# Altium PCB POT 10x8.PcbDoc (part 2 of 4) (continued)
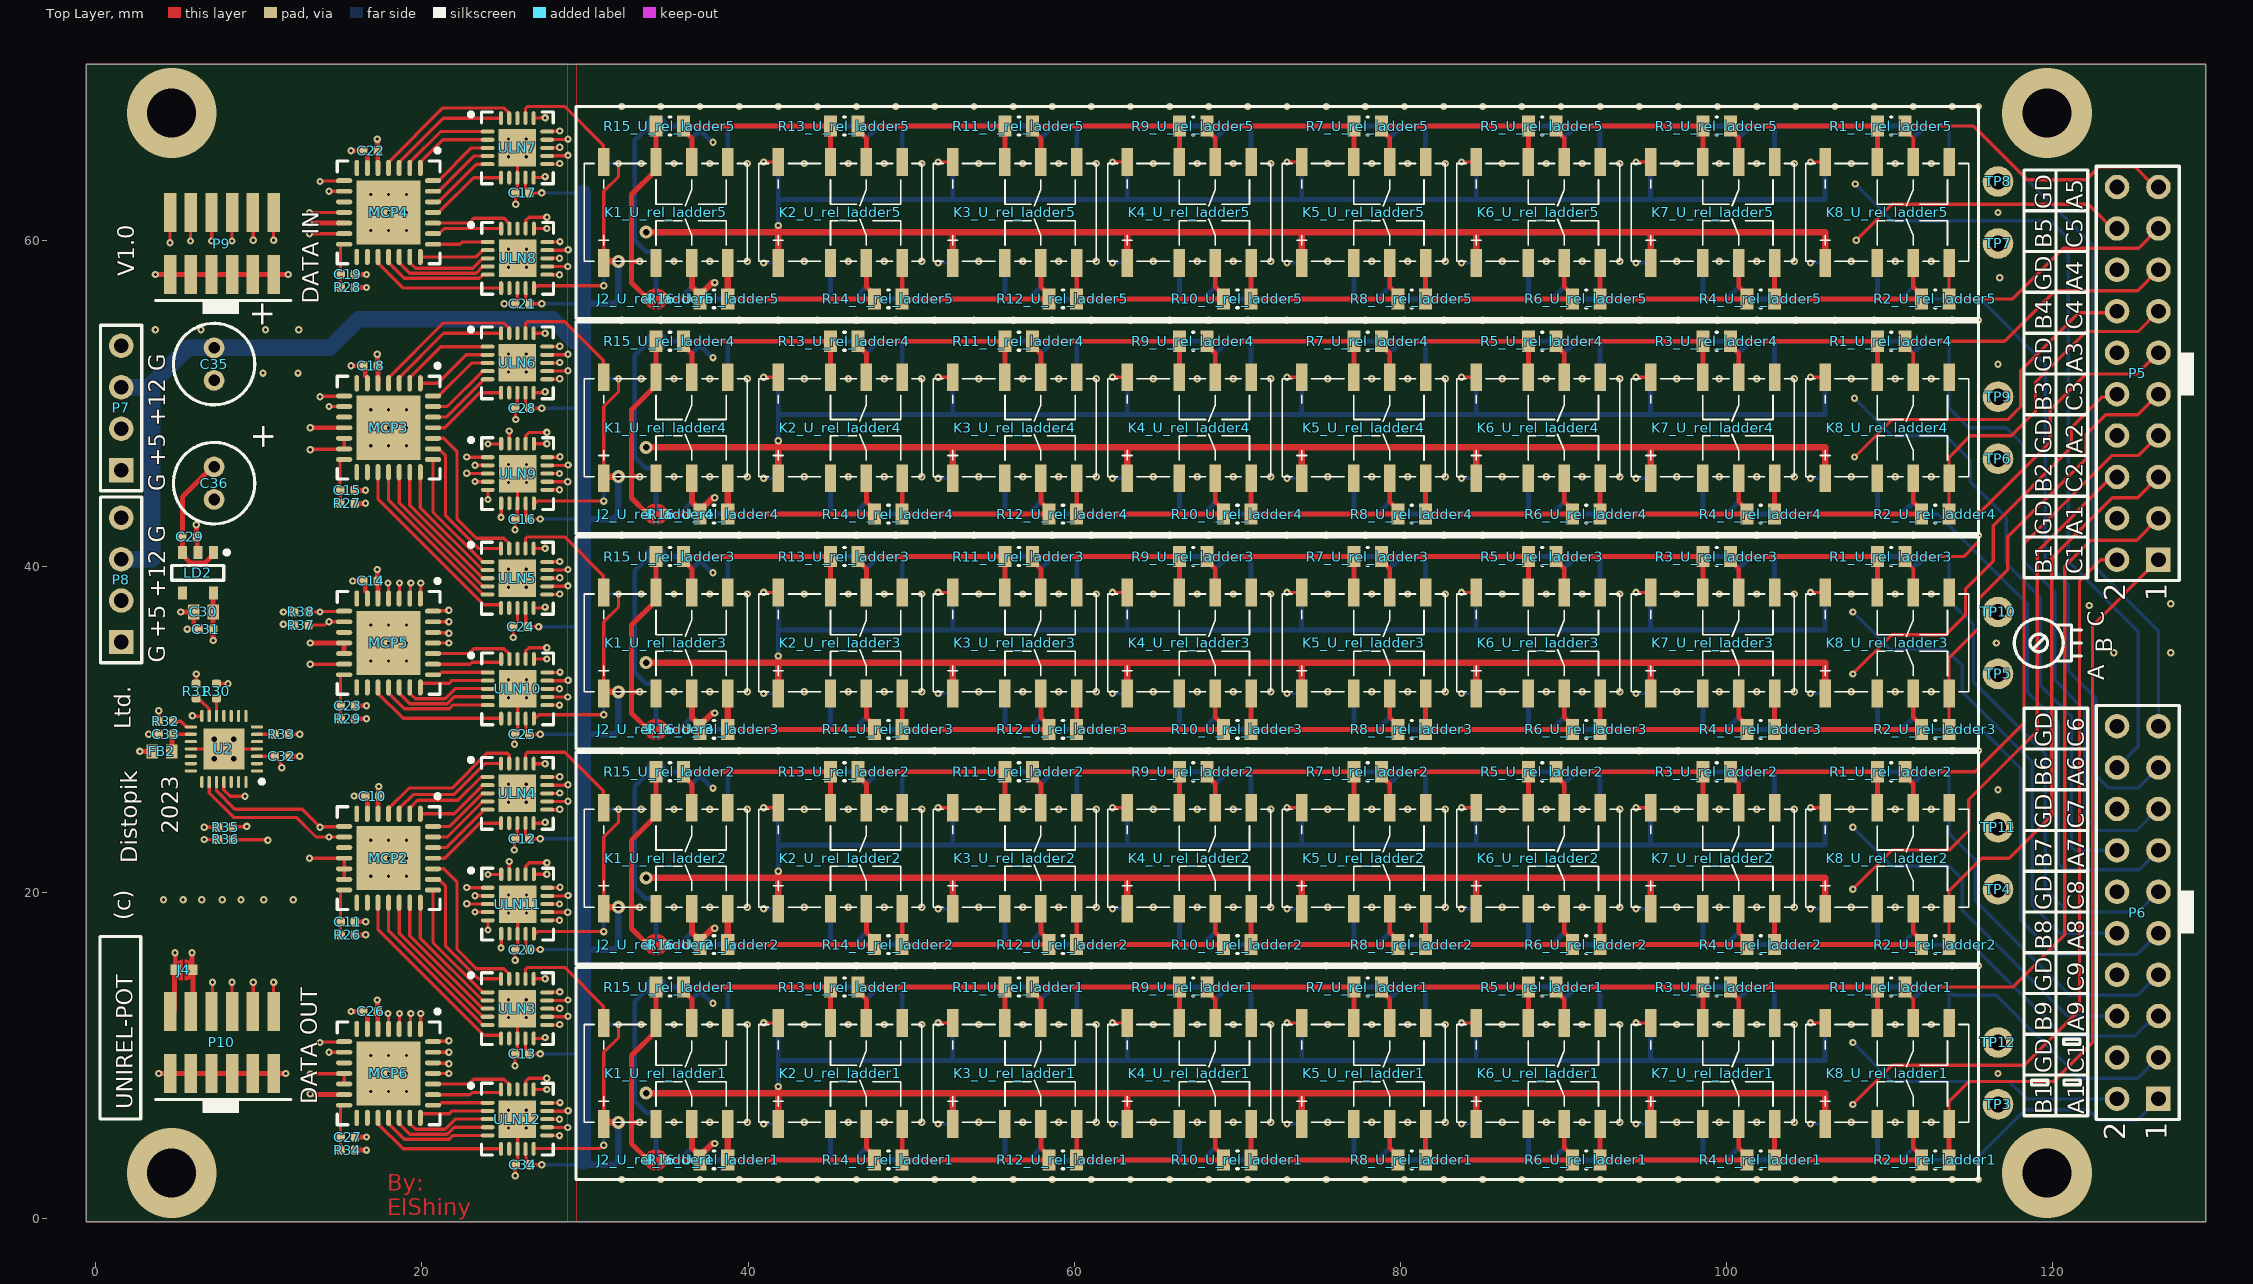
[diagram p0: Top Layer view]
## Nets (pads, with @x,y where several pads share a name; then routed paths per layer and width w, separated by ;. In a path a pad name is that pad's centre, name@x,y a point inside that pad or via, vN(x,y) a via of type N, cw(c..) or ccw(c..) an arc to the next point about the centre after c; other vN are vias at no path point) (continued)
AGND: P5.4 P5.8 P5.12 P5.16 P5.20 P6.4 P6.8 P6.12 P6.16 P6.20
  other v1: 32.25,2.4 34.65,2.4 37.05,2.4 39.45,2.4 41.85,2.4 44.25,2.4 46.65,2.4 49.05,2.4 51.45,2.4 53.85,2.4 56.25,2.4 58.65,2.4 61.05,2.4 63.45,2.4 65.85,2.4 68.25,2.4 70.65,2.4 73.05,2.4 75.45,2.4 77.85,2.4 80.25,2.4 82.65,2.4 85.05,2.4 87.45,2.4 89.85,2.4 92.25,2.4 94.65,2.4 97.05,2.4 99.45,2.4 101.85,2.4 104.25,2.4 106.65,2.4 109.05,2.4 111.45,2.4 113.85,2.4 115.45,2.4 35.45,5.9 37.65,5.9 39.95,5.9 43.45,5.9 46.15,5.9 48.35,5.9 50.65,5.9 54.15,5.9 56.85,5.9 59.05,5.9 61.35,5.9 64.85,5.9 67.55,5.9 69.75,5.9 72.05,5.9 75.55,5.9 78.25,5.9 80.45,5.9 82.75,5.9 86.25,5.9 88.95,5.9 91.15,5.9 93.45,5.9 96.95,5.9 99.55,5.9 101.85,5.9 104.15,5.9 107.65,5.9 110.35,5.9 112.55,5.9 116.65,8.9 35.45,11.9 37.65,11.9 39.95,11.9 43.45,11.9 46.15,11.9 48.35,11.9 50.65,11.9 54.15,11.9 56.85,11.9 59.05,11.9 61.35,11.9 64.85,11.9 67.55,11.9 69.75,11.9 72.05,11.9 75.55,11.9 78.25,11.9 80.45,11.9 82.75,11.9 86.25,11.9 88.95,11.9 91.15,11.9 93.45,11.9 96.95,11.9 99.55,11.9 101.85,11.9 104.15,11.9 107.65,11.9 110.35,11.9 112.55,11.9 32.25,15.5 34.65,15.5 37.05,15.5 39.45,15.5 41.85,15.5 44.25,15.5 46.65,15.5 49.05,15.5 51.45,15.5 53.85,15.5 56.25,15.5 58.65,15.5 61.05,15.5 63.45,15.5 65.85,15.5 68.25,15.5 70.65,15.5 73.05,15.5 75.45,15.5 77.85,15.5 80.25,15.5 82.65,15.5 85.05,15.5 87.45,15.5 89.85,15.5 92.25,15.5 94.65,15.5 97.05,15.5 99.45,15.5 101.85,15.5 104.25,15.5 106.65,15.5 109.05,15.5 111.45,15.5 113.85,15.5 115.45,15.5 35.45,19.1 37.65,19.1 39.95,19.1 43.45,19.1 46.15,19.1 48.35,19.1 50.65,19.1 54.15,19.1 56.85,19.1 59.05,19.1 61.35,19.1 64.85,19.1 67.55,19.1 69.75,19.1 72.05,19.1 75.55,19.1 78.25,19.1 80.45,19.1 82.75,19.1 86.25,19.1 88.95,19.1 91.15,19.1 93.45,19.1 96.95,19.1 99.55,19.1 101.85,19.1 104.15,19.1 107.65,19.1 110.35,19.1 112.55,19.1 35.45,25.1 37.65,25.1 39.95,25.1 43.45,25.1 46.15,25.1 48.35,25.1 50.65,25.1 54.15,25.1 56.85,25.1 59.05,25.1 61.35,25.1 64.85,25.1 67.55,25.1 69.75,25.1 72.05,25.1 75.55,25.1 78.25,25.1 80.45,25.1 82.75,25.1 86.25,25.1 88.95,25.1 91.15,25.1 93.45,25.1 96.95,25.1 99.55,25.1 101.85,25.1 104.15,25.1 107.65,25.1 110.35,25.1 112.55,25.1 116.65,26.3 32.25,28.7 34.65,28.7 37.05,28.7 39.45,28.7 41.85,28.7 44.25,28.7 46.65,28.7 49.05,28.7 51.45,28.7 53.85,28.7 56.25,28.7 58.65,28.7 61.05,28.7 63.45,28.7 65.85,28.7 68.25,28.7 70.65,28.7 73.05,28.7 75.45,28.7 77.85,28.7 80.25,28.7 82.65,28.7 85.05,28.7 87.45,28.7 89.85,28.7 92.25,28.7 94.65,28.7 97.05,28.7 99.45,28.7 101.85,28.7 104.25,28.7 106.65,28.7 109.05,28.7 111.45,28.7 113.85,28.7 115.45,28.7 35.45,32.3 37.65,32.3 39.95,32.3 43.45,32.3 46.15,32.3 48.35,32.3 50.65,32.3 54.15,32.3 56.85,32.3 59.05,32.3 61.35,32.3 64.85,32.3 67.55,32.3 69.75,32.3 72.05,32.3 75.55,32.3 78.25,32.3 80.45,32.3 82.75,32.3 86.25,32.3 88.95,32.3 91.15,32.3 93.45,32.3 96.95,32.3 99.55,32.3 101.85,32.3 104.15,32.3 107.65,32.3 110.35,32.3 112.55,32.3 123.75,34.7 127.25,34.7 116.55,35.3 122.25,37.6 127.25,37.7 35.45,38.3 37.65,38.3 39.95,38.3 43.45,38.3 46.15,38.3 48.35,38.3 50.65,38.3 54.15,38.3 56.85,38.3 59.05,38.3 61.35,38.3 64.85,38.3 67.55,38.3 69.75,38.3 72.05,38.3 75.55,38.3 78.25,38.3 80.45,38.3 82.75,38.3 86.25,38.3 88.95,38.3 91.15,38.3 93.45,38.3 96.95,38.3 99.55,38.3 101.85,38.3 104.15,38.3 107.65,38.3 110.35,38.3 112.55,38.3 32.25,41.9 34.65,41.9 37.05,41.9 39.45,41.9 41.85,41.9 44.25,41.9 46.65,41.9 49.05,41.9 51.45,41.9 53.85,41.9 56.25,41.9 58.65,41.9 61.05,41.9 63.45,41.9 65.85,41.9 68.25,41.9 70.65,41.9 73.05,41.9 75.45,41.9 77.85,41.9 80.25,41.9 82.65,41.9 85.05,41.9 87.45,41.9 89.85,41.9 92.25,41.9 94.65,41.9 97.05,41.9 99.45,41.9 101.85,41.9 104.25,41.9 106.65,41.9 109.05,41.9 111.45,41.9 35.45,45.5 37.65,45.5 39.95,45.5 43.45,45.5 46.15,45.5 48.35,45.5 50.65,45.5 54.15,45.5 56.85,45.5 59.05,45.5 61.35,45.5 64.85,45.5 67.55,45.5 69.75,45.5 72.05,45.5 75.55,45.5 78.25,45.5 80.45,45.5 82.75,45.5 86.25,45.5 88.95,45.5 91.15,45.5 93.45,45.5 96.95,45.5 99.55,45.5 101.85,45.5 104.15,45.5 107.65,45.5 110.35,45.5 112.55,45.5 35.45,51.5 37.65,51.5 39.95,51.5 43.45,51.5 46.15,51.5 48.35,51.5 50.65,51.5 54.15,51.5 56.85,51.5 59.05,51.5 61.35,51.5 64.85,51.5 67.55,51.5 69.75,51.5 72.05,51.5 75.55,51.5 78.25,51.5 80.45,51.5 82.75,51.5 86.25,51.5 88.95,51.5 91.15,51.5 93.45,51.5 96.95,51.5 99.55,51.5 101.85,51.5 104.15,51.5 107.65,51.5 110.35,51.5 112.55,51.5 116.65,52.4 32.25,55.1 34.65,55.1 37.05,55.1 39.45,55.1 41.85,55.1 44.25,55.1 46.65,55.1 49.05,55.1 51.45,55.1 53.85,55.1 56.25,55.1 58.65,55.1 61.05,55.1 63.45,55.1 65.85,55.1 68.25,55.1 70.65,55.1 73.05,55.1 75.45,55.1 77.85,55.1 80.25,55.1 82.65,55.1 85.05,55.1 87.45,55.1 89.85,55.1 92.25,55.1 94.65,55.1 97.05,55.1 99.45,55.1 101.85,55.1 104.25,55.1 106.65,55.1 109.05,55.1 111.45,55.1 113.85,55.1 115.45,55.1 116.75,57.7 35.45,58.7 37.65,58.7 39.95,58.7 43.45,58.7 46.15,58.7 48.35,58.7 50.65,58.7 54.15,58.7 56.85,58.7 59.05,58.7 61.35,58.7 64.85,58.7 67.55,58.7 69.75,58.7 72.05,58.7 75.55,58.7 78.25,58.7 80.45,58.7 82.75,58.7 86.25,58.7 88.95,58.7 91.15,58.7 93.45,58.7 96.95,58.7 99.55,58.7 101.85,58.7 104.15,58.7 107.65,58.7 110.35,58.7 112.55,58.7 116.65,61.7 35.45,64.7 37.65,64.7 39.95,64.7 43.45,64.7 46.15,64.7 48.35,64.7 50.65,64.7 54.15,64.7 56.85,64.7 59.05,64.7 61.35,64.7 64.85,64.7 67.55,64.7 69.75,64.7 72.05,64.7 75.55,64.7 78.25,64.7 80.45,64.7 82.75,64.7 86.25,64.7 88.95,64.7 91.15,64.7 93.45,64.7 96.95,64.7 99.55,64.7 101.85,64.7 104.15,64.7 107.65,64.7 110.35,64.7 112.55,64.7 32.25,68.2 34.65,68.2 37.05,68.2 39.45,68.2 41.85,68.2 44.25,68.2 46.65,68.2 49.05,68.2 51.45,68.2 53.85,68.2 56.25,68.2 58.65,68.2 61.05,68.2 63.45,68.2 65.85,68.2 68.25,68.2 70.65,68.2 73.05,68.2 75.45,68.2 77.85,68.2 80.25,68.2 82.65,68.2 85.05,68.2 87.45,68.2 89.85,68.2 92.25,68.2 94.65,68.2 97.05,68.2 99.45,68.2 101.85,68.2 104.25,68.2 106.65,68.2 109.05,68.2 111.45,68.2 113.85,68.2 115.45,68.2
AVCC: C33.1 FB2.2 U2.16 | length 2.3
  Top Layer w0.2: C33.1@4.6,29.7 U2.16@5.825,29.7
  Top Layer w0.3: FB2.2@4.6,28.65 4.675,28.725 4.675,29.635 C33.1@4.74,29.7
B1: J2_U_rel_ladder1.1 J2_U_rel_ladder1.2 K1_U_rel_ladder1.3 K1_U_rel_ladder1.7 P5.2 R15_U_rel_ladder1.2 R16_U_rel_ladder1.2 TP3.1 | length 219.7
  Top Layer w0.2: v1(107.75,7) 110.15,9.4 118.25,9.4 121.65,12.8 121.65,39.1 122.95,40.4 P5.2@123.95,40.4
  Top Layer w0.3: v1(33.35,5.9) 32.85,5.9 ; J2_U_rel_ladder1.1@33.842,3.6 32.85,4.592 32.85,5.9 ; R15_U_rel_ladder1.2@34.35,14.2 34.35,11.5 32.85,10 32.85,5.9
  Top Layer w0.381: J2_U_rel_ladder1.1@33.842,3.6 J2_U_rel_ladder1.2@34.858,3.6 R16_U_rel_ladder1.2@37.05,3.6 R16_U_rel_ladder1.2@37.05,3.85 ; K1_U_rel_ladder1.3@36.55,5.8 36.55,4.35 R16_U_rel_ladder1.2@37.05,3.85 ; v1(37.95,4.6) 37.937,4.587 37.787,4.587 R16_U_rel_ladder1.2@37.05,3.85
  Mid Layer 1 w0.2: v1(33.35,5.9) 33.95,5.3 106.05,5.3 v1(107.75,7) ; v1(37.95,4.6) 38.25,4.3 113.95,4.3 TP3.1@116.65,7
B2: J2_U_rel_ladder2.1 J2_U_rel_ladder2.2 K1_U_rel_ladder2.3 K1_U_rel_ladder2.7 P5.6 R15_U_rel_ladder2.2 R16_U_rel_ladder2.2 TP4.1 | length 208.5
  Top Layer w0.2: v1(107.75,20.2) 110.15,22.6 113.65,22.6 114.85,23.8 114.85,25.7 119.05,29.9 119.05,40.9 123.63,45.48 P5.6@123.95,45.48
  Top Layer w0.3: v1(33.35,19.1) 32.85,19.1 ; J2_U_rel_ladder2.1@33.842,16.8 32.85,17.792 32.85,19.1 ; R15_U_rel_ladder2.2@34.35,27.4 34.35,24.7 32.85,23.2 32.85,19.1
  Top Layer w0.381: J2_U_rel_ladder2.1@33.842,16.8 J2_U_rel_ladder2.2@34.858,16.8 R16_U_rel_ladder2.2@37.05,16.8 R16_U_rel_ladder2.2@37.05,17.05 ; K1_U_rel_ladder2.3@36.55,19 36.55,17.55 R16_U_rel_ladder2.2@37.05,17.05 ; v1(37.95,17.8) 37.937,17.787 37.787,17.787 R16_U_rel_ladder2.2@37.05,17.05
  Mid Layer 1 w0.2: v1(33.35,19.1) 33.95,18.5 106.05,18.5 v1(107.75,20.2) ; v1(37.95,17.8) 38.25,17.5 113.95,17.5 TP4.1@116.65,20.2
B3: J2_U_rel_ladder3.1 J2_U_rel_ladder3.2 K1_U_rel_ladder3.3 K1_U_rel_ladder3.7 P5.10 R15_U_rel_ladder3.2 R16_U_rel_ladder3.2 TP5.1 | length 200.5
  Top Layer w0.2: v1(107.75,33.4) 110.15,35.8 113.45,35.8 114.65,37 114.65,38.6 116.35,40.3 116.35,42.5 121.15,47.3 121.15,48.5 123.038,50.388 123.778,50.388 P5.10@123.95,50.56
  Top Layer w0.3: v1(33.35,32.3) 32.85,32.3 ; J2_U_rel_ladder3.1@33.842,30 32.85,30.992 32.85,32.3 ; R15_U_rel_ladder3.2@34.35,40.6 34.35,37.9 32.85,36.4 32.85,32.3
  Top Layer w0.381: J2_U_rel_ladder3.1@33.842,30 J2_U_rel_ladder3.2@34.858,30 R16_U_rel_ladder3.2@37.05,30 R16_U_rel_ladder3.2@37.05,30.25 ; K1_U_rel_ladder3.3@36.55,32.2 36.55,30.75 R16_U_rel_ladder3.2@37.05,30.25 ; v1(37.95,31) 37.937,30.987 37.787,30.987 R16_U_rel_ladder3.2@37.05,30.25
  Mid Layer 1 w0.2: v1(33.35,32.3) 33.95,31.7 106.05,31.7 v1(107.75,33.4) ; v1(37.95,31) 38.25,30.7 113.95,30.7 TP5.1@116.65,33.4
B4: J2_U_rel_ladder4.1 J2_U_rel_ladder4.2 K1_U_rel_ladder4.3 K1_U_rel_ladder4.7 P5.14 R15_U_rel_ladder4.2 R16_U_rel_ladder4.2 TP6.1 | length 195.5
  Top Layer w0.2: v1(107.85,46.7) 110.15,49 117.25,49 118.05,49.8 118.05,52 121.6,55.55 123.86,55.55 P5.14@123.95,55.64
  Top Layer w0.3: v1(33.35,45.5) 32.85,45.5 ; J2_U_rel_ladder4.1@33.842,43.2 32.85,44.192 32.85,45.5 ; R15_U_rel_ladder4.2@34.35,53.8 34.35,51.1 32.85,49.6 32.85,45.5
  Top Layer w0.381: J2_U_rel_ladder4.1@33.842,43.2 J2_U_rel_ladder4.2@34.858,43.2 R16_U_rel_ladder4.2@37.05,43.2 R16_U_rel_ladder4.2@37.05,43.45 ; K1_U_rel_ladder4.3@36.55,45.4 36.55,43.95 R16_U_rel_ladder4.2@37.05,43.45 ; v1(37.95,44.2) 37.937,44.187 37.787,44.187 R16_U_rel_ladder4.2@37.05,43.45
  Mid Layer 1 w0.2: v1(33.35,45.5) 33.95,44.9 106.05,44.9 v1(107.85,46.7) ; v1(37.95,44.2) 38.25,43.9 113.95,43.9 TP6.1@116.65,46.6
B5: J2_U_rel_ladder5.1 J2_U_rel_ladder5.2 K1_U_rel_ladder5.3 K1_U_rel_ladder5.7 P5.18 R15_U_rel_ladder5.2 R16_U_rel_ladder5.2 TP7.1 | length 192.1
  Top Layer w0.2: v1(107.95,60) 110.15,62.2 122.183,62.2 123.663,60.72 P5.18@123.95,60.72
  Top Layer w0.3: v1(33.35,58.7) 32.85,58.7 ; J2_U_rel_ladder5.1@33.842,56.4 32.85,57.392 32.85,58.7 ; R15_U_rel_ladder5.2@34.35,67 34.35,64.3 32.85,62.8 32.85,58.7
  Top Layer w0.381: J2_U_rel_ladder5.1@33.842,56.4 J2_U_rel_ladder5.2@34.858,56.4 R16_U_rel_ladder5.2@37.05,56.4 R16_U_rel_ladder5.2@37.05,56.65 ; K1_U_rel_ladder5.3@36.55,58.6 36.55,57.15 R16_U_rel_ladder5.2@37.05,56.65 ; v1(37.95,57.4) 37.937,57.387 37.787,57.387 R16_U_rel_ladder5.2@37.05,56.65
  Mid Layer 1 w0.2: v1(33.35,58.7) 33.95,58.1 106.05,58.1 v1(107.95,60) ; v1(37.95,57.4) 38.25,57.1 113.95,57.1 TP7.1@116.65,59.8
B6: J2_U_rel_ladder6.1 J2_U_rel_ladder6.2 K1_U_rel_ladder6.3 K1_U_rel_ladder6.7 P6.18 R15_U_rel_ladder6.2 R16_U_rel_ladder6.2 TP8.1 | length 223.3
  Mid Layer 2 w0.2: v1(33.45,64.7) 34.05,65.3 106.05,65.3 v1(107.9,63.45) ; v1(37.85,66) 114.25,66 TP8.1@116.65,63.6
  Bottom Layer w0.2: v1(107.9,63.45) 110.15,61.2 119.85,61.2 120.95,60.1 120.95,40.3 125.25,36 125.25,28.96 P6.18@123.95,27.66
  Bottom Layer w0.3: v1(33.45,64.7) 33.05,64.7 ; R15_U_rel_ladder6.2@34.35,56.4 34.35,59.068 34.15,59.268 33.782,59.268 33.05,60 33.05,64.7 ; K1_U_rel_ladder6.3@36.55,64.8 36.55,66.25 R16_U_rel_ladder6.2@37.05,66.75 ; v1(37.85,66) 37.821,66.029 37.771,66.029 R16_U_rel_ladder6.2@37.05,66.75 ; 33.05,64.7 33.05,66.127 33.715,66.792 33.715,66.873 J2_U_rel_ladder6.2@33.842,67 J2_U_rel_ladder6.1@34.858,67 R16_U_rel_ladder6.2@37.05,67 R16_U_rel_ladder6.2@37.05,66.75
B7: J2_U_rel_ladder7.1 J2_U_rel_ladder7.2 K1_U_rel_ladder7.3 K1_U_rel_ladder7.7 P6.14 R15_U_rel_ladder7.2 R16_U_rel_ladder7.2 TP9.1 | length 211.9
  Mid Layer 2 w0.2: v1(33.45,51.5) 34.05,52.1 106.05,52.1 v1(107.85,50.3) ; v1(37.85,52.8) 114.25,52.8 TP9.1@116.65,50.4
  Bottom Layer w0.2: v1(107.85,50.3) 110.15,48 113.45,48 114.95,46.5 114.95,45.2 117.15,43 117.15,40.2 119.25,38.1 119.25,32.7 121.15,30.8 121.15,22.8 121.37,22.58 P6.14@123.95,22.58
  Bottom Layer w0.3: v1(33.45,51.5) 33.05,51.5 ; R15_U_rel_ladder7.2@34.35,43.2 K1_U_rel_ladder7.7@34.35,45.4 34.35,45.818 34.15,46.018 33.732,46.018 33.05,46.7 33.05,51.5 ; K1_U_rel_ladder7.3@36.55,51.6 36.55,53.05 R16_U_rel_ladder7.2@37.05,53.55 ; v1(37.85,52.8) 37.821,52.829 37.771,52.829 R16_U_rel_ladder7.2@37.05,53.55 ; 33.05,51.5 33.05,52.927 33.715,53.592 33.715,53.673 J2_U_rel_ladder7.2@33.842,53.8 J2_U_rel_ladder7.1@34.858,53.8 R16_U_rel_ladder7.2@37.05,53.8 R16_U_rel_ladder7.2@37.05,53.55
B8: J2_U_rel_ladder8.1 J2_U_rel_ladder8.2 K1_U_rel_ladder8.3 K1_U_rel_ladder8.7 P6.10 R15_U_rel_ladder8.2 R16_U_rel_ladder8.2 TP10.1 | length 204.3
  Mid Layer 2 w0.2: v1(33.45,38.3) 34.05,38.9 106.05,38.9 v1(107.75,37.2) ; v1(37.85,39.6) 114.25,39.6 TP10.1@116.65,37.2
  Bottom Layer w0.2: v1(107.75,37.2) 108.324,36.626 110.05,34.9 113.45,34.9 114.45,33.9 114.45,32.3 118.75,28 118.75,19.2 120.45,17.5 P6.10@123.95,17.5
  Bottom Layer w0.3: v1(33.45,38.3) 33.05,38.3 ; R15_U_rel_ladder8.2@34.35,30 K1_U_rel_ladder8.7@34.35,32.2 34.35,32.618 34.15,32.818 33.732,32.818 33.05,33.5 33.05,38.3 ; K1_U_rel_ladder8.3@36.55,38.4 36.55,39.85 R16_U_rel_ladder8.2@37.05,40.35 ; v1(37.85,39.6) 37.821,39.629 37.771,39.629 R16_U_rel_ladder8.2@37.05,40.35 ; 33.05,38.3 33.05,39.727 33.715,40.392 33.715,40.473 J2_U_rel_ladder8.2@33.842,40.6 J2_U_rel_ladder8.1@34.858,40.6 R16_U_rel_ladder8.2@37.05,40.6 R16_U_rel_ladder8.2@37.05,40.35
B9: J2_U_rel_ladder9.1 J2_U_rel_ladder9.2 K1_U_rel_ladder9.3 K1_U_rel_ladder9.7 P6.6 R15_U_rel_ladder9.2 R16_U_rel_ladder9.2 TP11.1 | length 196
  Mid Layer 2 w0.2: v1(33.45,25.1) 34.05,25.7 106.05,25.7 v1(107.75,24) ; v1(37.85,26.4) 114.25,26.4 TP11.1@116.65,24
  Bottom Layer w0.2: v1(107.75,24) 110.15,21.6 113.65,21.6 114.45,20.8 114.45,18.9 120.93,12.42 P6.6@123.95,12.42
  Bottom Layer w0.3: v1(33.45,25.1) 33.05,25.1 ; R15_U_rel_ladder9.2@34.35,16.8 K1_U_rel_ladder9.7@34.35,19 34.35,19.418 34.15,19.618 33.732,19.618 33.05,20.3 33.05,25.1 ; K1_U_rel_ladder9.3@36.55,25.2 36.55,26.65 R16_U_rel_ladder9.2@37.05,27.15 ; v1(37.85,26.4) 37.821,26.429 37.771,26.429 R16_U_rel_ladder9.2@37.05,27.15 ; 33.05,25.1 33.05,26.527 33.715,27.192 33.715,27.273 J2_U_rel_ladder9.2@33.842,27.4 J2_U_rel_ladder9.1@34.858,27.4 R16_U_rel_ladder9.2@37.05,27.4 R16_U_rel_ladder9.2@37.05,27.15
B10: J2_U_rel_ladder10.1 J2_U_rel_ladder10.2 K1_U_rel_ladder10.3 K1_U_rel_ladder10.7 P6.2 R15_U_rel_ladder10.2 R16_U_rel_ladder10.2 TP12.1 | length 191.6
  Mid Layer 2 w0.2: v1(33.45,11.9) 34.05,12.5 106.05,12.5 v1(107.75,10.8) ; v1(37.85,13.2) 114.25,13.2 TP12.1@116.65,10.8
  Bottom Layer w0.2: v1(107.75,10.8) 110.15,8.4 117.35,8.4 118.41,7.34 P6.2@123.95,7.34
  Bottom Layer w0.3: v1(33.45,11.9) 33.05,11.9 ; R15_U_rel_ladder10.2@34.35,3.6 K1_U_rel_ladder10.7@34.35,5.9 ; K1_U_rel_ladder10.7@34.35,5.8 34.35,6.268 34.15,6.468 33.782,6.468 33.05,7.2 33.05,11.9 ; K1_U_rel_ladder10.3@36.55,12 36.55,13.45 R16_U_rel_ladder10.2@37.05,13.95 ; v1(37.85,13.2) 37.821,13.229 37.771,13.229 R16_U_rel_ladder10.2@37.05,13.95 ; 33.05,11.9 33.05,13.327 33.715,13.992 33.715,14.073 J2_U_rel_ladder10.2@33.842,14.2 J2_U_rel_ladder10.1@34.858,14.2 R16_U_rel_ladder10.2@37.05,14.2 R16_U_rel_ladder10.2@37.05,13.95
C1: K8_U_rel_ladder1.4 P5.1 R2_U_rel_ladder1.1 | length 47.4
  Top Layer w0.2: R2_U_rel_ladder1.1@113.65,3.6 113.65,7.2 114.85,8.4 120.05,8.4 122.45,10.8 122.45,36.36 P5.1@126.49,40.4
  Top Layer w0.3: R2_U_rel_ladder1.1@113.65,3.6 K8_U_rel_ladder1.4@113.65,5.8
C2: K8_U_rel_ladder2.4 P5.5 R2_U_rel_ladder2.1 | length 35.9
  Top Layer w0.2: R2_U_rel_ladder2.1@113.65,16.8 K8_U_rel_ladder2.4@113.65,19 113.65,20.1 114.25,20.7 115.65,22.1 117.35,22.1 119.95,24.7 119.95,40.5 123.65,44.2 125.21,44.2 P5.5@126.49,45.48
C3: K8_U_rel_ladder3.4 P5.9 R2_U_rel_ladder3.1 | length 27
  Top Layer w0.2: R2_U_rel_ladder3.1@113.65,30 K8_U_rel_ladder3.4@113.65,32.2 113.65,34.4 115.459,36.209 115.459,38.009 117.25,39.8 117.25,41.8 122.05,46.6 122.05,48.1 123.25,49.3 125.23,49.3 P5.9@126.49,50.56
C4: K8_U_rel_ladder4.4 P5.13 R2_U_rel_ladder4.1 | length 21.1
  Top Layer w0.2: R2_U_rel_ladder4.1@113.65,43.2 K8_U_rel_ladder4.4@113.65,45.4 113.65,45.9 113.65,46.7 114.95,48 117.45,48 118.95,49.5 118.95,51.3 122.05,54.4 125.25,54.4 P5.13@126.49,55.64
C5: K8_U_rel_ladder5.4 P5.17 R2_U_rel_ladder5.1 | length 16.8
  Top Layer w0.2: K8_U_rel_ladder5.4@113.65,58.6 R2_U_rel_ladder5.1@113.65,56.4 116.05,56.4 117.55,56.4 120.65,59.5 125.27,59.5 P5.17@126.49,60.72
C6: K8_U_rel_ladder6.4 P6.19 R2_U_rel_ladder6.1 | length 45.2
  Bottom Layer w0.2: K8_U_rel_ladder6.4@113.65,64.8 113.65,66.75 R2_U_rel_ladder6.1@113.65,67 115.15,67 122.45,59.7 122.45,40.1 126.49,36.06 P6.19@126.49,30.2
C7: K8_U_rel_ladder7.4 P6.15 R2_U_rel_ladder7.1 | length 39.4
  Bottom Layer w0.2: R2_U_rel_ladder7.1@113.65,53.8 K8_U_rel_ladder7.4@113.65,51.6 113.65,49.7 114.85,48.5 117.15,48.5 118.15,47.5 118.15,40.4 120.15,38.4 120.15,33 121.95,31.2 121.95,24.6 122.75,23.8 125.17,23.8 P6.15@126.49,25.12
C8: K8_U_rel_ladder8.4 P6.11 R2_U_rel_ladder8.1 | length 30.9
  Bottom Layer w0.2: R2_U_rel_ladder8.1@113.65,40.6 K8_U_rel_ladder8.4@113.65,38.4 113.65,37.9 115.15,36.4 115.15,32.9 119.55,28.5 119.55,20.2 120.95,18.8 125.25,18.8 P6.11@126.49,20.04
C9: K8_U_rel_ladder9.4 P6.7 R2_U_rel_ladder9.1 | length 22.7
  Bottom Layer w0.2: R2_U_rel_ladder9.1@113.65,27.4 K8_U_rel_ladder9.4@113.65,25.2 113.65,23.6 115.25,22 115.25,19.5 121.05,13.7 125.23,13.7 P6.7@126.49,14.96
C10: K8_U_rel_ladder10.4 P6.3 R2_U_rel_ladder10.1 | length 17.8
  Bottom Layer w0.2: K8_U_rel_ladder10.4@113.65,12 R2_U_rel_ladder10.1@113.65,13.95 ; R2_U_rel_ladder10.1@113.65,14.2 R2_U_rel_ladder10.1@113.65,13.95 ; P6.3@126.49,9.88 125.21,8.6 121.65,8.6 116.55,13.7 113.9,13.7 R2_U_rel_ladder10.1@113.65,13.95
GND: C10.1 C11.1 C12.2 C13.2 C14.1 C15.1 C16.2 C17.2 C18.1 C19.1 C20.2 C21.2 C22.1 C23.1 C24.2 C25.2 C26.1 C27.1 C28.2 C29.2 C30.2 C31.2 C32.2 C33.2 C34.2 C35.2 C36.2 LD2.2 MCP2.6 MCP2.11 MCP2.12 MCP2.13 MCP2.29 MCP3.6 MCP3.12 MCP3.13 MCP3.29 MCP4.6 MCP4.11 MCP4.13 MCP4.29 MCP5.6 MCP5.13 MCP5.29 MCP6.6 MCP6.11 MCP6.12 MCP6.29 P7.1 P7.4 P8.1 P8.4 P9.1 P9.3 P9.5 P9.7 P9.9 P9.11 P10.1 P10.3 P10.5 P10.7 P10.9 P10.11 U2.4 U2.18 U2.29 ULN3.8 ULN3.21 ULN4.8 ULN4.21 ULN5.8 ULN5.21 ULN6.8 ULN6.21 ULN7.8 ULN7.21 ULN8.8 ULN8.21 ULN9.8 ULN9.21 ULN10.8 ULN10.21 ULN11.8 ULN11.21 ULN12.8 ULN12.21 | length 82.1
  Top Layer w0.2: U2.18@5.825,28.8 U2.29@7.85,28.8 U2.4@9.875,28.8 ; v1(13.1,22.1) MCP2.11@15.225,22.1 MCP2.12@15.225,21.45 MCP2.13@15.225,20.8 ; v1(13.1,60.4) MCP4.13@15.225,60.4 ; v1(13.1,61.7) MCP4.11@15.225,61.7 ; v1(13.15,8.85) 13.181,8.881 15.206,8.881 MCP6.11@15.225,8.9 MCP6.12@15.225,8.25 ; v1(13.15,34) MCP5.13@15.225,34 ; v1(13.15,47.15) 13.181,47.181 15.206,47.181 MCP3.13@15.225,47.2 MCP3.12@15.225,47.85 ; v1(25.05,56.1) C21.2@25.71,56.1 25.849,56.239 25.849,57.054 ULN8.8@25.859,57.063 ; v1(25.603,35.637) 25.607,35.641 25.607,36.297 C24.2@25.61,36.3 25.61,36.336 25.85,36.576 ULN5.8@25.85,37.443 ; v1(25.65,22.6) 25.68,22.63 25.68,23.27 C12.2@25.71,23.3 25.84,23.43 25.84,24.243 ULN4.8@25.85,24.252 ; v1(25.676,29.08) 25.676,29.666 C25.2@25.71,29.7 25.71,29.736 25.875,29.901 ULN10.21@25.875,32.5 ; v1(25.7,42.25) 25.705,42.255 25.705,42.895 C16.2@25.71,42.9 25.849,43.039 25.849,43.854 ULN9.8@25.859,43.863 ULN9.21@25.859,45.688 ; v1(25.707,9.365) 25.707,10.097 C13.2@25.71,10.1 25.84,10.23 25.84,11.04 ULN3.8@25.85,11.05 ULN3.21@25.85,12.875 ; v1(25.71,15.84) 25.71,16.536 25.875,16.701 ULN11.21@25.875,19.3 ; v1(25.719,2.624) 25.719,3.327 25.71,3.336 25.875,3.501 ULN12.21@25.875,6.1 ; v1(25.75,49) 25.73,49.02 25.73,49.68 C28.2@25.71,49.7 25.84,49.83 25.84,50.635 ULN6.8@25.85,50.645 ; v1(25.75,62.2) 25.73,62.22 25.73,62.88 C17.2@25.71,62.9 25.84,63.03 25.84,63.825 ULN7.8@25.85,63.834 ULN7.21@25.85,65.659
  Top Layer w0.3: v1(3.24,29.7) C33.2@3.86,29.7 ; v1(3.65,57.9) 4.54,57.9 P9.1@4.55,57.89 P9.11@10.9,57.89 10.91,57.9 v1(11.8,57.9) ; v1(3.85,8.9) 4.75,8.9 11.1,8.9 v1(11.65,8.9) ; v1(5.2,37.2) C30.2@6,37.2 6,36.46 6.18,36.28 6.2,36.28 6.31,36.17 C31.2@6.31,36.15 v1(5.6,36.15) ; v1(6.15,42.55) 6.17,42.53 6.17,41.82 C29.2@6.19,41.8 6.22,41.77 6.22,40.88 LD2.2@6.25,40.85 ; C32.2@11.84,28.35 v1(12.5,28.35) ; v1(15.643,65.486) 16.396,65.486 C22.1@16.41,65.5 16.41,65.48 16.65,65.24 MCP4.6@16.65,64.425 ; v1(15.65,12.7) C26.1@16.41,12.7 16.41,12.68 16.65,12.44 MCP6.6@16.65,11.625 ; v1(15.65,52.3) C18.1@16.41,52.3 16.52,52.19 16.52,51.705 16.65,51.575 MCP3.6@16.65,51.225 ; v1(15.75,39.1) C14.1@16.41,39.1 16.52,38.99 16.52,38.505 16.65,38.375 MCP5.6@16.65,38.025 ; v1(15.837,25.912) 16.498,25.912 C10.1@16.51,25.9 16.51,25.88 16.65,25.74 MCP2.6@16.65,24.825 ; C15.1@15.871,44.661 v1(16.531,44.661) ; C27.1@15.89,5 v1(16.6,5) ; C11.1@15.89,18.2 v1(16.55,18.2) ; C23.1@15.89,31.45 v1(16.6,31.45) ; C19.1@15.89,57.9 v1(16.6,57.9)
  other v1: 4.15,19.55 5.35,19.55 6.5,19.55 7.75,19.55 8.9,19.55 10.3,19.55 12.1,19.55 10.25,51.85 12.4,51.85 3.65,54.5 6.45,54.5 10.4,54.5 12.45,54.5
  other v2: 25.3,5.55 26.4,5.55 25.3,6.65 26.4,6.65 16.85,7.8 17.95,7.8 19.05,7.8 16.85,8.9 17.95,8.9 19.05,8.9 16.85,10 17.95,10 19.05,10 25.3,12.325 26.4,12.325 25.3,13.425 26.4,13.425 25.309,18.738 26.409,18.738 25.309,19.838 26.409,19.838 16.85,21 17.95,21 19.05,21 16.85,22.1 17.95,22.1 19.05,22.1 16.85,23.2 17.95,23.2 19.05,23.2 25.3,25.527 26.4,25.527 25.3,26.627 26.4,26.627 25.309,31.938 26.409,31.938 25.309,33.038 26.409,33.038 16.85,34.2 17.95,34.2 19.05,34.2 16.85,35.3 17.95,35.3 19.05,35.3 16.85,36.4 17.95,36.4 19.05,36.4 25.3,38.718 26.4,38.718 25.3,39.818 26.4,39.818 25.309,45.138 26.409,45.138 25.309,46.238 26.409,46.238 16.85,47.4 17.95,47.4 19.05,47.4 16.85,48.5 17.95,48.5 19.05,48.5 16.85,49.6 17.95,49.6 19.05,49.6 25.3,51.92 26.4,51.92 25.3,53.02 26.4,53.02 25.309,58.338 26.409,58.338 25.309,59.438 26.409,59.438 16.85,60.6 17.95,60.6 19.05,60.6 16.85,61.7 17.95,61.7 19.05,61.7 16.85,62.8 17.95,62.8 19.05,62.8 25.3,65.109 26.4,65.109 25.3,66.209 26.4,66.209
  other v4: 7.25,28.2 8.45,28.2 7.25,29.4 8.45,29.4
INT: P9.12 P10.12 R33.1 R36.2 | length 53.9
  Top Layer w0.2: R36.2@8.39,23.25 8.415,23.225 10.525,23.225 v1(10.55,23.2) ; v1(10.9,14.5) 10.9,12.91 P10.12@11.1,12.71 ; v1(10.9,60) P9.12@10.9,61.7 ; R33.1@11.84,29.7 v1(12.5,29.7)
  Mid Layer 2 w0.2: v1(10.55,23.2) 10.9,23.2 ; v1(10.9,14.5) 10.9,23.2 ; v1(10.9,60) 10.9,29.75 ; v1(12.5,29.7) 10.95,29.7 10.9,29.75 ; 10.9,23.2 10.9,29.75
MISO: J4.2 P9.2 P10.2 | length 51.2
  Top Layer w0.2: v1(4.55,59.85) P9.2@4.55,61.7
  Top Layer w0.3: P10.2@4.75,12.71 4.821,12.781 4.821,15.179 J4.2@4.892,15.25 4.871,15.271 4.871,16.279 v1(4.85,16.3)
  Mid Layer 2 w0.2: v1(4.55,59.85) 4.55,42.93 3.9,42.28 3.9,32.8 2.15,31.05 2.15,23.295 4.85,20.595 v1(4.85,16.3)
MISO_T88: J4.1 P10.4 U2.14 | length 18.8
  Top Layer w0.2: v1(5.919,30.834) 5.941,30.812 6.5,30.812 U2.14@6.5,30.825
  Top Layer w0.3: v1(5.9,16.3) 5.904,16.296 5.904,15.254 J4.1@5.908,15.25 5.964,15.194 5.964,12.766 P10.4@6.02,12.71
  Mid Layer 2 w0.2: v1(5.9,16.3) 5.9,30.815 v1(5.919,30.834)
MOSI_T88: P9.4 R31.1 | length 30.2
  Top Layer w0.2: v1(5.8,59.95) 5.8,61.68 P9.4@5.82,61.7 ; R31.1@6.15,32.79 v1(6.15,33.4)
  Mid Layer 2 w0.2: v1(5.8,59.95) 4.95,59.1 4.95,42.5 4.4,41.95 4.4,35.15 v1(6.15,33.4)
NetC11_2: C11.2 MCP2.14 R26.2 | length 3
  Top Layer w0.2: 15,19.275 15.005,19.27 ; R26.2@15.01,17.4 15.005,17.405 C11.2@15.005,18.205 ; C11.2@15.01,18.2 C11.2@15.005,18.205 ; MCP2.14@15.225,20.15 15.051,20.15 15.005,20.104 15.005,19.27 ; C11.2@15.005,18.205 15.005,19.27
NetC15_2: C15.2 MCP3.14 R27.2 | length 2.7
  Top Layer w0.2: MCP3.14@14.975,46.55 14.975,44.677 C15.2@14.991,44.661 ; C15.2@14.986,44.661 14.986,43.866 R27.2@14.991,43.861
NetC19_2: C19.2 MCP4.14 R28.2 | length 2.8
  Top Layer w0.2: R28.2@15.01,57.1 15.005,57.105 15.005,57.9 15.005,58.97 15.005,59.704 15.051,59.75 MCP4.14@15.225,59.75
NetC23_2: C23.2 MCP5.14 R29.2 | length 2.9
  Top Layer w0.2: 15,32.525 15.005,32.52 ; R29.2@15.01,30.65 15.005,30.655 15.005,32.52 ; MCP5.14@15.225,33.35 15.051,33.35 15.005,33.304 15.005,32.52
NetC27_2: C27.2 MCP6.14 R34.2 | length 3.2
  Top Layer w0.2: 15,6.075 15.005,6.07 ; 15.005,5.85 15.005,6.07 ; R34.2@15.01,4.2 15.005,4.205 15.005,5 15.005,6.07 ; MCP6.14@15.225,6.95 15.051,6.95 15.005,6.904 15.005,6.07
NetK1_U_rel_ladder1_4: K1_U_rel_ladder1.4 K2_U_rel_ladder1.3 R14_U_rel_ladder1.2 R16_U_rel_ladder1.1 | length 13.6
  Top Layer w0.3: R16_U_rel_ladder1.1@38.75,3.6 R14_U_rel_ladder1.2@47.75,3.6 47.75,3.85 47.25,4.35 K2_U_rel_ladder1.3@47.25,5.8
  Top Layer w0.381: R16_U_rel_ladder1.1@38.75,3.6 K1_U_rel_ladder1.4@38.75,5.8
NetK1_U_rel_ladder1_6: K1_U_rel_ladder1.6 K2_U_rel_ladder1.7 R13_U_rel_ladder1.2 R15_U_rel_ladder1.1 | length 13.6
  Top Layer w0.3: K1_U_rel_ladder1.6@36.55,12 36.55,13.45 36.05,13.95 R15_U_rel_ladder1.1@36.05,14.2 R13_U_rel_ladder1.2@45.05,14.2 K2_U_rel_ladder1.7@45.05,12
NetK1_U_rel_ladder1_8: K1_U_rel_ladder1.8 ULN3.17 | length 7.4
  Top Layer w0.2: ULN3.17@26.35,14.7 26.35,15.283 26.467,15.4 28.75,15.4 31.117,13.033 31.117,12.033 K1_U_rel_ladder1.8@31.15,12
NetK1_U_rel_ladder2_4: K1_U_rel_ladder2.4 K2_U_rel_ladder2.3 R14_U_rel_ladder2.2 R16_U_rel_ladder2.1 | length 13.6
  Top Layer w0.3: R16_U_rel_ladder2.1@38.75,16.8 R14_U_rel_ladder2.2@47.75,16.8 47.75,17.05 47.25,17.55 K2_U_rel_ladder2.3@47.25,19
  Top Layer w0.381: R16_U_rel_ladder2.1@38.75,16.8 K1_U_rel_ladder2.4@38.75,19